# KiCad board NanoGaN.kicad_pcb
title: NanoGaN; date: 2026-02-22; rev: A01; company: Eren Akbayin
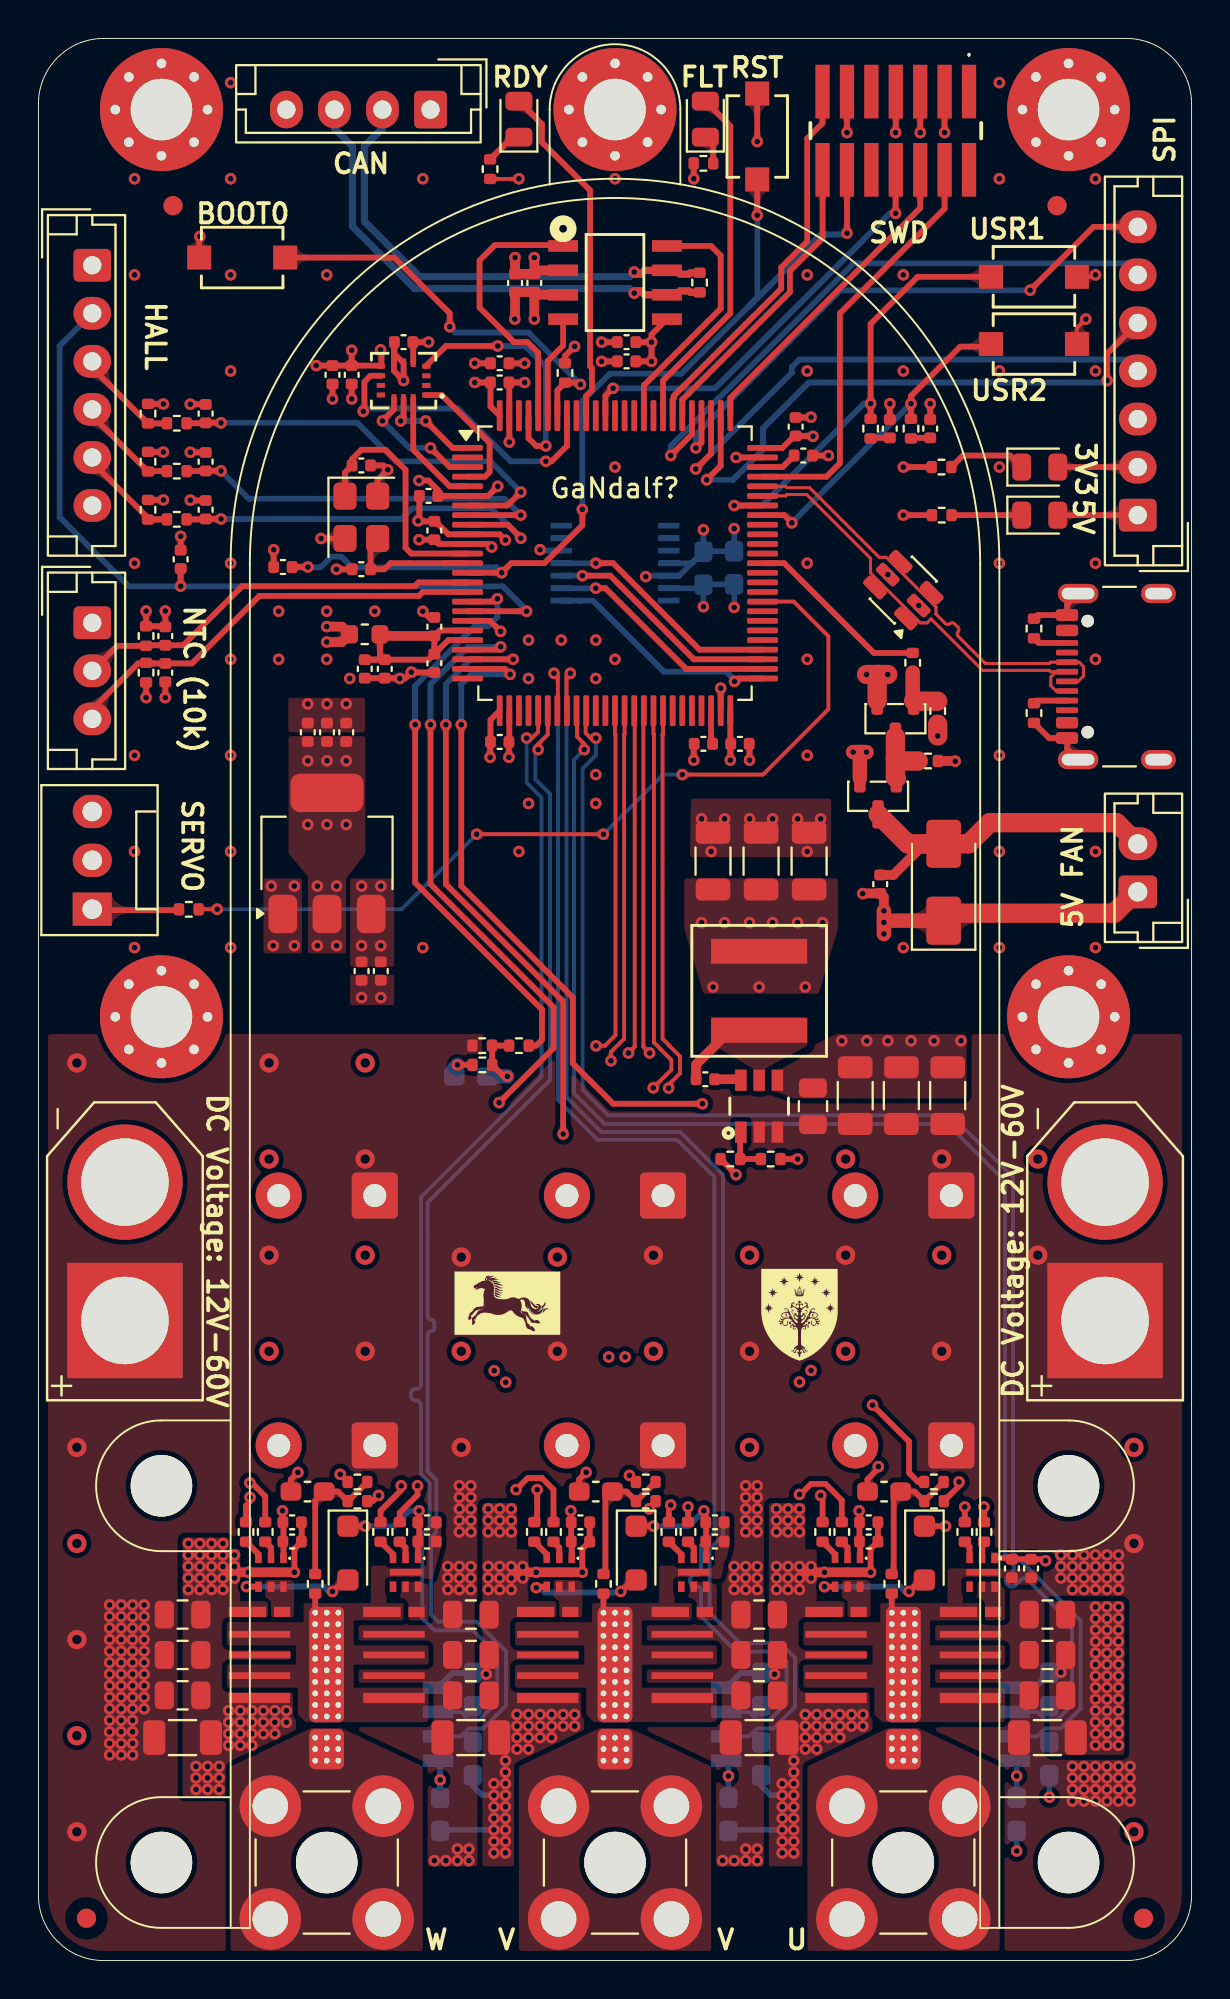
[diagram p0: board, top side]
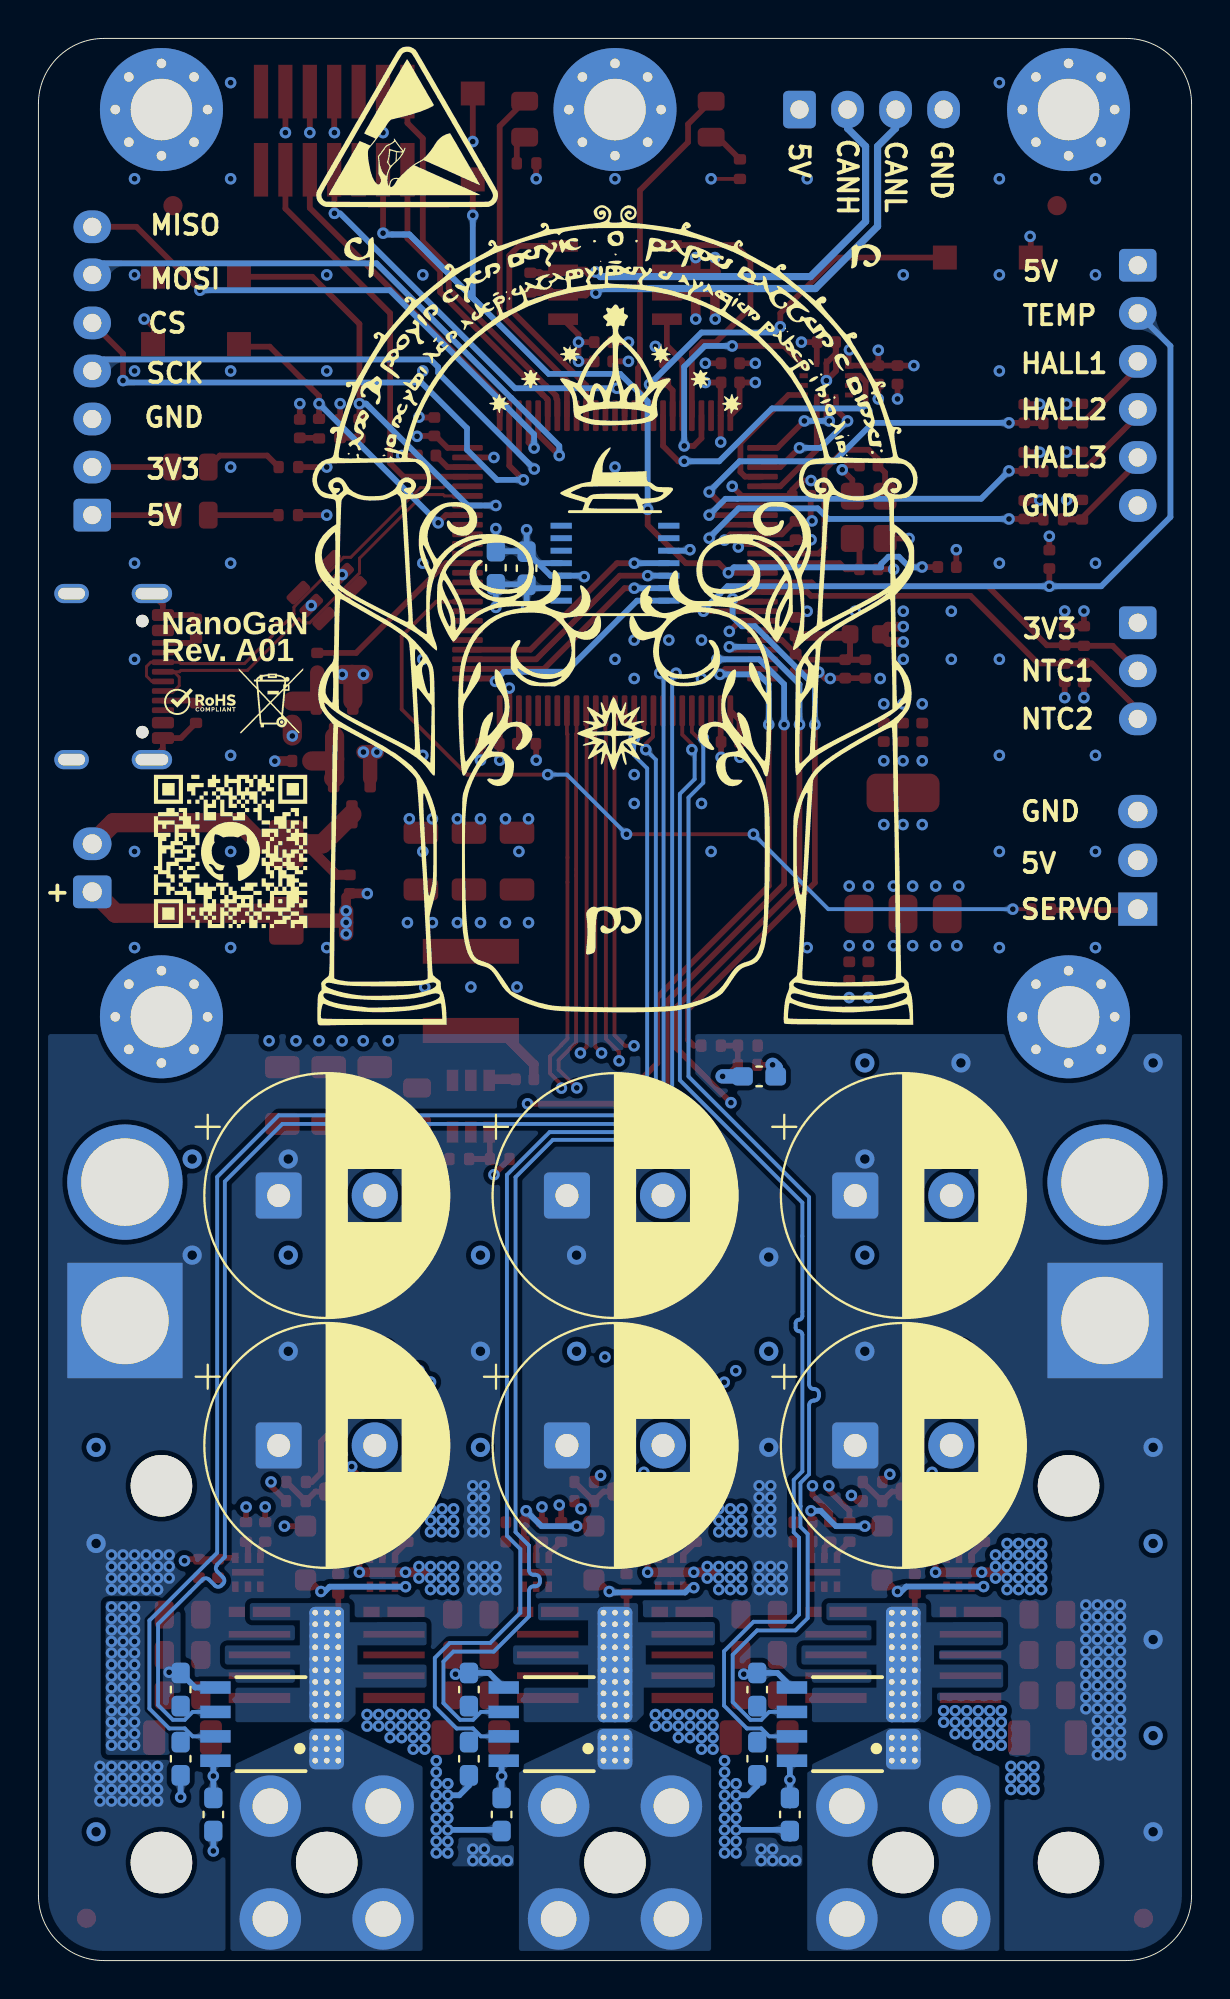
[diagram p1: board, bottom side, seen from below]

Outline 60 x 100 mm; copper layers: Top, In1.Cu (plane), In2.Cu (plane), In3.Cu (plane), In4.Cu (plane), Bottom. Coordinates in mm from the lower left corner of the outline.
Outline path: 0,96.6 arc(1,99) 3.4,100 56.6,100 arc(59,99) 60,96.6 60,3.4 arc(59,1) 56.6,0 3.4,0 arc(1,1) 0,3.4 0,96.6
Stack: Top 0.035mm / dielectric 0.1mm FR4 er 4.5 / In1.Cu 0.035mm / dielectric 0.535mm FR4 er 4.5 / In2.Cu 0.035mm / dielectric 0.1mm FR4 er 4.5 / In3.Cu 0.035mm / dielectric 0.535mm FR4 er 4.5 / In4.Cu 0.035mm / dielectric 0.1mm FR4 er 4.5 / Bottom 0.035mm

## Placement (name value [footprint] x y rotation side)
C1  CL31B105KCHNNNE  [C_1206_3216Metric]  42.5 45 90 top
C2  CL31B105KCHNNNE  [C_1206_3216Metric]  44.9 45 90 top
C3  CL31B105KCHNNNE  [C_1206_3216Metric]  47.31 45 90 top
C4  CL21B104KCFNNNE  [C_0805_2012Metric]  40.3 44.45 90 top
C5  CL05B104KO5NNNC  [C_0402_1005Metric]  34.7 45.85 180 top
C6  CL31A476MPHNNNE  [C_1206_3216Metric]  40.1 57.2 90 top
C7  CL05A475MP5NRNC  [C_0402_1005Metric]  16.81 51.48 270 top
C8  CL05A475MP5NRNC  [C_0402_1005Metric]  14.01 63.9 90 top
C9  CL05B105KQ5NQNC  [C_0402_1005Metric]  18.02 67.2 270 top
C10  0402B104K6R3CT  [C_0402_1005Metric]  16.98 67.2 270 top
C11  EKYC800ELL471MK25S  [CP_Radial_D12.5mm_P5.00mm]  30 39.8 180 bottom
C12  EKYC800ELL471MK25S  [CP_Radial_D12.5mm_P5.00mm]  45 39.8 180 bottom
C13  EKYC800ELL471MK25S  [CP_Radial_D12.5mm_P5.00mm]  45 26.8 180 bottom
C14  EKYC800ELL471MK25S  [CP_Radial_D12.5mm_P5.00mm]  15 39.8 180 bottom
C15  CL21B104KCFNNNE  [C_0805_2012Metric]  7.5 18 0 top
C16  CL05B105KQ5NQNC  [C_0402_1005Metric]  43.2 22.8 0 top
C17  CL31B105KCHNNNE  [C_1206_3216Metric]  22.5 11.6 0 top
C18  ~  [C_0603_1608Metric_Pad1.08x0.95mm_HandSolder]  22.5 46 180 bottom  (not fitted)
C19  0402B472K500NT  [C_0402_1005Metric]  8.7 80.48 90 top
C20  0402B104K6R3CT  [C_0402_1005Metric]  43.2 21.8 0 top
C22  CL05B105KQ5NQNC  [C_0402_1005Metric]  51.65 20.4 90 top
C23  CL05B105KQ5NQNC  [C_0402_1005Metric]  28.2 22.8 0 top
C24  ~  [C_0603_1608Metric_Pad1.08x0.95mm_HandSolder]  50.9 7.6 270 bottom
C25  ~  [C_0603_1608Metric_Pad1.08x0.95mm_HandSolder]  52.6 14.1 90 bottom
C26  ~  [C_0603_1608Metric_Pad1.08x0.95mm_HandSolder]  37.6 14.1 90 bottom
C27  EKYC800ELL471MK25S  [CP_Radial_D12.5mm_P5.00mm]  15 26.8 180 bottom
C28  ~  [C_0603_1608Metric_Pad1.08x0.95mm_HandSolder]  52.6 10.5 270 bottom
C29  0402B104K6R3CT  [C_0402_1005Metric]  28.2 21.8 0 top
C30  CL21B104KCFNNNE  [C_0805_2012Metric]  22.5 15.9 0 top
C31  0402B104K6R3CT  [C_0402_1005Metric]  50.65 20.4 90 top
C32  CL21B104KCFNNNE  [C_0805_2012Metric]  22.5 18 0 top
C33  ~  [C_0603_1608Metric_Pad1.08x0.95mm_HandSolder]  22.6 14.1 90 bottom
C35  EKYC800ELL471MK25S  [CP_Radial_D12.5mm_P5.00mm]  30 26.8 180 bottom
C36  ~  [C_0603_1608Metric_Pad1.08x0.95mm_HandSolder]  44 24.4 180 top  (not fitted)
C37  CL05A475MP5NRNC  [C_0402_1005Metric]  15.01 63.9 90 top
C38  ~  [C_0603_1608Metric_Pad1.08x0.95mm_HandSolder]  35.9 7.6 270 bottom
C39  ~  [C_0603_1608Metric_Pad1.08x0.95mm_HandSolder]  37.6 10.5 270 bottom
C40  CL05A475MP5NRNC  [C_0402_1005Metric]  16.01 63.9 90 top
C41  CL05B105KQ5NQNC  [C_0402_1005Metric]  13.2 22.8 0 top
C42  CL31B105KCHNNNE  [C_1206_3216Metric]  37.5 11.6 0 top
C43  0402B104K6R3CT  [C_0402_1005Metric]  13.2 21.8 0 top
C44  CL21B104KCFNNNE  [C_0805_2012Metric]  7.5 13.8 0 top
C45  CL21B104KCFNNNE  [C_0805_2012Metric]  37.5 15.9 0 top
C46  CL31B105KCHNNNE  [C_1206_3216Metric]  7.5 11.6 0 top
C47  CL21B104KCFNNNE  [C_0805_2012Metric]  7.5 15.9 0 top
C48  CL05B105KQ5NQNC  [C_0402_1005Metric]  35.2 22.8 180 top
C49  CL21B104KCFNNNE  [C_0805_2012Metric]  37.5 18 0 top
C50  CL21B104KCFNNNE  [C_0805_2012Metric]  22.5 13.8 0 top
C52  CL05B105KQ5NQNC  [C_0402_1005Metric]  6.6 67.01 270 top
C53  CL05B105KQ5NQNC  [C_0402_1005Metric]  6.6 68.91 90 top
C54  CL05B105KQ5NQNC  [C_0402_1005Metric]  15.3 82.5 270 top
C55  0402B104K6R3CT  [C_0402_1005Metric]  12.72 72.5 180 top
C56  0402B104K6R3CT  [C_0402_1005Metric]  19 84.2 180 top
C57  0402B104K6R3CT  [C_0402_1005Metric]  16.3 82.5 270 top
C58  ~  [C_0603_1608Metric_Pad1.08x0.95mm_HandSolder]  36.2 72.46 270 bottom
C59  ~  [C_0603_1608Metric_Pad1.08x0.95mm_HandSolder]  34.6 72.44 270 bottom
C60  0402B472K500NT  [C_0402_1005Metric]  7.4 72.9 90 top
C61  0402B472K500NT  [C_0402_1005Metric]  8.7 77.98 90 top
C62  0402B472K500NT  [C_0402_1005Metric]  8.7 75.48 90 top
C63  CL05B105KQ5NQNC  [C_0402_1005Metric]  30.6 83.2 180 top
C64  0402B104K6R3CT  [C_0402_1005Metric]  30.6 84.2 180 top
C65  CL05B105KQ5NQNC  [C_0402_1005Metric]  24.8 87.28 90 top
C66  0402B104K6R3CT  [C_0402_1005Metric]  25.8 87.28 90 top
C67  CL21B104KCFNNNE  [C_0805_2012Metric]  37.5 13.8 0 top
C68  CL31B105KCHNNNE  [C_1206_3216Metric]  52.5 11.6 0 top
C69  0402CG330J500NT  [C_0402_1005Metric]  16.8 77.79 0 top
C70  0402CG330J500NT  [C_0402_1005Metric]  16.8 72.39 180 top
C71  CL05A475MP5NRNC  [C_0402_1005Metric]  24 83.1 0 top
C72  0402B104K6R3CT  [C_0402_1005Metric]  20.6 67.5 270 top
C73  0402B104K6R3CT  [C_0402_1005Metric]  20.3 76.2 180 top
C74  0402B104K6R3CT  [C_0402_1005Metric]  20.6 74.4 90 top
C75  0402B104K6R3CT  [C_0402_1005Metric]  24 63.4 180 top
C76  0402B104K6R3CT  [C_0402_1005Metric]  36.5 63.3 0 top
C77  0402B104K6R3CT  [C_0402_1005Metric]  39.4 79.8 90 top
C78  0402B104K6R3CT  [C_0402_1005Metric]  24 82.1 0 top
C79  CL05A475MP5NRNC  [C_0402_1005Metric]  17.81 51.48 270 top
C80  0402B104K6R3CT  [C_0402_1005Metric]  20.6 69.4 90 top
C81  CL21B104KCFNNNE  [C_0805_2012Metric]  52.5 18 0 top
C82  CL31A476MPHNNNE  [C_1206_3216Metric]  37.6 57.2 90 top
C83  CL05A225MQ5NSNC  [C_0402_1005Metric]  34.6 63.3 180 top
C84  CL05A225MQ5NSNC  [C_0402_1005Metric]  39.8 78.3 0 top
C85  ~  [C_0603_1608Metric_Pad1.08x0.95mm_HandSolder]  29 24.4 180 top  (not fitted)
C86  CL31A476MPHNNNE  [C_1206_3216Metric]  35.1 57.2 90 top
C87  ~  [C_0603_1608Metric_Pad1.08x0.95mm_HandSolder]  14 24.4 180 top  (not fitted)
C88  CL21B104KCFNNNE  [C_0805_2012Metric]  52.5 15.9 0 top
C89  ~  [C_0603_1608Metric_Pad1.08x0.95mm_HandSolder]  20.9 7.6 270 bottom
C90  CL21B104KCFNNNE  [C_0805_2012Metric]  52.5 13.8 0 top
C91  ~  [C_0603_1608Metric_Pad1.08x0.95mm_HandSolder]  22.6 10.5 270 bottom
C93  CL05A475MP5NRNC  [C_0402_1005Metric]  43.8 56 90 top
C94  0402B472K500NT  [C_0402_1005Metric]  44.3 79.7 90 top
C95  0402B472K500NT  [C_0402_1005Metric]  46.4 79.7 90 top
C96  0402B104K6R3CT  [C_0402_1005Metric]  35.2 21.8 180 top
C97  CL05B105KQ5NQNC  [C_0402_1005Metric]  20.22 22.8 180 top
C98  0402B104K6R3CT  [C_0402_1005Metric]  20.22 21.8 180 top
CC1  ~  [CoolingChannel]  30 72.7 0 top
D1  YELLOW  [LED_0805_2012Metric]  52.1 77.7 0 top
D2  USBLC6-2SC6  [SOT-23-6]  45 71.3 135 top
D3  SS54  [D_SMA]  47.1 56.1 90 top
D4  RED  [LED_0805_2012Metric]  34.7 95.8 90 top
D5  GREEN  [LED_0805_2012Metric]  25 95.8 90 top
D6  YELLOW  [LED_0805_2012Metric]  52.1 75.2 0 top
D7  MBR2H200SFT1G  [D_SOD-123F]  46.1 21.2 270 top
D8  MBR2H200SFT1G  [D_SOD-123F]  31.1 21.2 270 top
D9  MBR2H200SFT1G  [D_SOD-123F]  16.1 21.2 270 top
DurinsGate  LOGO  [DurinsGate]  30 70 180 bottom
FM1  Fiducial  [Fiducial_1mm_Mask2mm]  7 91.3 0 top
FM2  Fiducial  [Fiducial_1mm_Mask2mm]  2.5 2.2 0 top
FM3  Fiducial  [Fiducial_1mm_Mask2mm]  57.5 2.2 0 top
FM4  Fiducial  [Fiducial_1mm_Mask2mm]  53 91.3 0 top
G***  LOGO  [rohan]  24.4 34.2 0 top
G***#2  LOGO  [white_tree]  39.6 33.6 0 top
G***#3  LOGO  [weee]  47.9 65.5 180 bottom
G***#4  LOGO  [esd]  40.81 95.4 180 bottom
G***#5  LOGO  [hw-repo]  50 57.7 180 bottom
G***#6  LOGO  [RoHS_Compliant]  51.6 65.5 180 bottom
HB_PAD_U  -  [HB_PAD]  30 18.4 0 top  (not fitted)
HS1  Heatsink  [ICK_S]  30 15.9 0 top
J1  XT60-M  [AMASS_XT60-M]  55.5 36.9 90 top
J2  XT60-M  [AMASS_XT60-M]  4.5 36.9 90 top
J3  Phase_U  [Wuerth_REDCUBE-THR_WP-THRBU_74650073_THR]  45 5.1 270 top
J4  Phase_U  [Wuerth_REDCUBE-THR_WP-THRBU_74650073_THR]  30 5.1 270 top
J5  Phase_U  [Wuerth_REDCUBE-THR_WP-THRBU_74650073_THR]  15 5.1 270 top
J6  FTSH-107-01-L-DV-K-TR  [FTSH10701LDVKTR]  44.61 95.2 180 top
J7  Conn_01x03  [JST_EH_B3B-EH-A_1x03_P2.50mm_Vertical]  2.8 69.6 270 top
J8  Conn_01x02  [JST_EH_B2B-EH-A_1x02_P2.50mm_Vertical]  57.2 55.6 90 top
J9  Conn_01x07  [JST_EH_B7B-EH-A_1x07_P2.50mm_Vertical]  57.2 75.2 90 top
J10  Conn_01x06  [JST_EH_B6B-EH-A_1x06_P2.50mm_Vertical]  2.8 88.2 270 top
J11  Conn_01x04  [JST_EH_B4B-EH-A_1x04_P2.50mm_Vertical]  20.4 96.3 180 top
J12  USB_C_Receptacle_USB2.0_16P  [USB_C_Receptacle_GCT_USB4105-xx-A_16P_TopMnt_Horizontal]  57.2 66.8 90 top
J14  Conn_01x03  [FanPinHeader_1x03_P2.54mm_Vertical]  2.8 54.7 90 top
L1  XAL6060-103ME  [IND_XAL60XX-240H_COC]  37.5 50.45 90 top
L2  FHW0603UC039JST  [L_0603_1608Metric]  16.98 69 0 top
MH1  M3  [MountingHole_3.2mm_M3_Pad_Via]  6.4 96.3 0 top
MH2  M3  [MountingHole_3.2mm_M3_Pad_Via]  30 96.3 0 top
MH3  M3  [MountingHole_3.2mm_M3_Pad_Via]  53.6 96.3 0 top
MH4  M3  [MountingHole_3.2mm_M3_Pad_Via]  6.4 49.1 0 top
MH5  M3  [MountingHole_3.2mm_M3_Pad_Via]  53.6 49.1 0 top
MH6  M3  [MountingHole_3.2mm_M3]  6.4 5.1 0 top
MH7  M3  [MountingHole_3.2mm_M3]  53.6 5.1 0 top
MH8  M3  [MountingHole_3.2mm_M3]  6.4 24.7 0 top
MH9  M3  [MountingHole_3.2mm_M3]  53.6 24.7 0 top
Q1  IGC025S08S1XTMA1  [IFX-PG-TSON-6-2-V]  48.5 15.9 270 top
Q2  IGC025S08S1XTMA1  [IFX-PG-TSON-6-2-V]  41.5 15.9 270 top
Q3  IGC025S08S1XTMA1  [IFX-PG-TSON-6-2-V]  33.5 15.9 270 top
Q4  IGC025S08S1XTMA1  [IFX-PG-TSON-6-2-V]  26.5 15.9 270 top
Q5  IGC025S08S1XTMA1  [IFX-PG-TSON-6-2-V]  18.5 15.9 270 top
Q6  IGC025S08S1XTMA1  [IFX-PG-TSON-6-2-V]  11.5 15.9 270 top
Q7  AO3400A  [SOT-23_3]  43.69 60.57 270 top
Q8  AO3400A  [SOT-23_3]  44.59 64.61 270 top
R1  0402WGF1003TCE  [R_0402_1005Metric]  38.1 41.7 180 top
R2  0402WGF1912TCE  [R_0402_1005Metric]  36 41.7 180 top
R3  0402WGF2200TCE  [R_0402_1005Metric]  46.99 77.7 180 top
R4  NQ02WGF3902TCE  [R_0402_1005Metric]  23.09 47.6 0 top
R5  0402WGF2201TCE  [R_0402_1005Metric]  23.1 46.6 180 top
R6  0402WGF1200TCE  [R_0402_1005Metric]  34.4 87.3 270 top
R7  0402WGF0000TCE  [R_0402_1005Metric]  25 47.6 0 top
R8  0402WGF4702TCE  [R_0402_1005Metric]  49.2 22.3 270 top
R9  0402WGF4702TCE  [R_0402_1005Metric]  48.2 22.3 270 top
R10  NQ02WGF3902TCE  [R_0402_1005Metric]  44.4 19.6 90 top
R11  0402WGF1002TCE  [R_0402_1005Metric]  5.6 67.01 270 top
R12  0402WGF2201TCE  [R_0402_1005Metric]  46.6 23.9 0 top
R15  0402WGF4702TCE  [R_0402_1005Metric]  33.8 22.3 270 top
R16  0402WGF4702TCE  [R_0402_1005Metric]  32.8 22.3 270 top
R19  0402WGF0000TCE  [R_0402_1005Metric]  46.59 24.9 180 top
R20  NQ02WGF3902TCE  [R_0402_1005Metric]  29.4 19.6 90 top
R21  0402WGF1002TCE  [R_0402_1005Metric]  5.6 68.91 90 top
R22  0402WGF4702TCE  [R_0402_1005Metric]  18.8 22.3 270 top
R23  0402WGF4702TCE  [R_0402_1005Metric]  17.8 22.3 270 top
R26  0402WGF2201TCE  [R_0402_1005Metric]  31.6 23.9 0 top
R27  0402WGF0000TCE  [R_0402_1005Metric]  31.6 24.9 180 top
R28  NQ02WGF3902TCE  [R_0402_1005Metric]  14.4 19.6 90 top
R29  0402WGF2201TCE  [R_0402_1005Metric]  5.7 80.48 270 top
R30  0402WGF2201TCE  [R_0402_1005Metric]  16.6 23.9 0 top
R31  0402WGF2201TCE  [R_0402_1005Metric]  5.7 77.98 270 top
R32  0402WGF0000TCE  [R_0402_1005Metric]  16.6 24.9 180 top
R33  0402WGF2201TCE  [R_0402_1005Metric]  5.7 75.48 270 top
R34  0402WGF1002TCE  [R_0402_1005Metric]  7.2 79.98 0 top
R35  0402WGF1002TCE  [R_0402_1005Metric]  7.2 77.49 0 top
R36  0402WGF1002TCE  [R_0402_1005Metric]  7.2 74.98 0 top
R37  0402WGF5101TCE  [R_0402_1005Metric]  51.8 69.3 90 top
R38  0402WGF5101TCE  [R_0402_1005Metric]  51.8 64.9 270 top
R39  0402WGF1000TCE  [R_0402_1005Metric]  7.82 54.69 0 top
R40  0402WGF1001TCE  [R_0402_1005Metric]  46.29 62.41 180 top
R41  0402WGF1002TCE  [R_0402_1005Metric]  27.4 82.6 270 top
R42  0402WGF1002TCE  [R_0402_1005Metric]  46.79 65.01 270 top
R43  0402WGF2200TCE  [R_0402_1005Metric]  45.49 67.52 90 top
R44  0402WGF4702TCE  [R_0402_1005Metric]  41.8 22.3 270 top
R45  0402WGF4702TCE  [R_0402_1005Metric]  40.8 22.3 270 top
R46  0402WGF4702TCE  [R_0402_1005Metric]  26.8 22.3 270 top
R47  0402WGF4702TCE  [R_0402_1005Metric]  25.8 22.3 270 top
R48  0402WGF4702TCE  [R_0402_1005Metric]  11.8 22.3 270 top
R49  0402WGF4702TCE  [R_0402_1005Metric]  10.8 22.3 270 top
R56  0402WGF2201TCE  [R_0402_1005Metric]  43.3 79.7 270 top
R57  0402WGF2201TCE  [R_0402_1005Metric]  45.4 79.7 270 top
R58  0402WGF2200TCE  [R_0402_1005Metric]  34.6 93.5 180 top
R59  0402WGF2200TCE  [R_0402_1005Metric]  23.5 93.2 270 top
R60  0402WGF5100TCE  [R_0402_1005Metric]  47 75.2 180 top
SW1  TS-1088-AR02016  [SW_TS-1088_XNP]  37.4 94.9 270 top
SW2  TS-1088-AR02016  [SW_TS-1088_XNP]  10.6 88.6 0 top
SW3  TS-1088-AR02016  [SW_TS-1088_XNP]  51.8 87.6 180 top
SW4  TS-1088-AR02016  [SW_TS-1088_XNP]  51.8 84.1 180 top
U1  STM32H723VGTx  [LQFP-100_14x14mm_P0.5mm]  30 72.7 0 top
U2  LMR51635XDDCR  [DDC0006A-MFG]  37.5 44.45 90 top
U3  AMS1117  [SOT-223-3_TabPin2]  15.01 57.6 90 top
U4  ACS37030LLZATR-065B3  [ACS37030LLZATR020B3]  47.9 12.3 270 bottom
U5  1EDN7136U  [1EDN71X6U]  49.1 20.2 270 top
U6  ACS37030LLZATR-065B3  [ACS37030LLZATR020B3]  32.9 12.3 270 bottom
U7  ACS37030LLZATR-065B3  [ACS37030LLZATR020B3]  17.9 12.3 270 bottom
U8  1EDN7136U  [1EDN71X6U]  34.1 20.2 270 top
U9  LSM6DSVTR  [LGA14-L_2P59X3P1X0P5_STM-L]  19 82.2 180 top
U10  1EDN7136U  [1EDN71X6U]  19.1 20.2 270 top
U11  1EDN7136U  [1EDN71X6U]  42.1 20.2 270 top
U12  1EDN7136U  [1EDN71X6U]  27.1 20.2 270 top
U13  1EDN7136U  [1EDN71X6U]  12.1 20.2 270 top
U14  AS5047P-ATST  [TSSOP-14_AMS-L]  30 72.7 0 bottom
U15  TCAN1044VDRQ1  [D0008A-MFG]  30 87.3 0 top
U_HB_PAD  -  [HB_PAD]  45 18.4 0 top  (not fitted)
V_HB_PAD  -  [HB_PAD]  15 18.4 0 top  (not fitted)
X1  X322512MSB4SI  [Crystal_SMD_3225-4Pin_3.2x2.5mm]  16.8 75.09 270 top

## Library data of the parts
C1-C3 C17 C42 C46 C68 = -: Datasheet: https://datasheet.datasheetarchive.com/originals/distributors/Datasheets-DGA8/2461474.pdf; Description: CAP, 1u, 100V, +/-10%, X7R, 1206; Height: 1.8; Mouser Part Number: 187-CL31B105KCHNNNE; Mouser Price/Stock: https://www.mouser.co.uk/ProductDetail/Samsung-Electro-Mechanics/CL31B105KCHNNNE?qs=349EhDEZ59qH1i3RhF2lug%3D%3D; Manufacturer_Name: SAMSUNG; LCSC: C13832; Voltage Rating: 100V; Package: 1206; Dielectric: X7R; Capacitance: 1u; ki_fp_filters: C_*
C4 C15 C30 C32 C44 C45 C47 C49 C50 C67 C81 C88 C90 = -: Datasheet: https://datasheet.datasheetarchive.com/originals/distributors/DKDS-19/374389.pdf; Description: - CAP, 0.1UF, 100V, MLCC, 0805, -SAMSUNG ELECTRO-MECHANICS - CL21B104KCFNNNE; Height: 1.35; Mouser Part Number: 187-CL21B104KCFNNNE; Mouser Price/Stock: https://www.mouser.co.uk/ProductDetail/Samsung-Electro-Mechanics/CL21B104KCFNNNE?qs=lptGheUA4EwiEGVRX9oguw%3D%3D; Manufacturer_Name: SAMSUNG; Voltage Rating: 100V; Dielectric: X7R; LCSC: C28233; Capacitance: 100n; ki_fp_filters: C_*
C5 = -: Datasheet: https://datasheet.datasheetarchive.com/originals/distributors/Datasheets-DGA10/2408147.pdf; Description: Samsung Electro-Mechanics CL05B104KO5NNNC 100nF Multilayer Ceramic Capacitor MLCC 16V dc +/-10% Tolerance SMD; Height: 0.55; Mouser Part Number: 187-CL05B104KO5NNNC; Mouser Price/Stock: https://www.mouser.co.uk/ProductDetail/Samsung-Electro-Mechanics/CL05B104KO5NNNC?qs=hqM3L16%252BxlfT2SKOuAUq6Q%3D%3D; Manufacturer_Name: SAMSUNG; Voltage Rating: 16V; Dielectric: X7R; Package: 0402; LCSC: C1525; Capacitance: 100n; ki_fp_filters: C_*
C6 C82 C86 = -: Datasheet: https://datasheet.datasheetarchive.com/originals/distributors/Datasheets-DGA10/2406753.pdf; Description: Cap Ceramic 47uF 10V X5R 20% Pad SMD 1206 85C T/R; Height: 1.8; Mouser Part Number: 187-CL31A476MPHNNNE; Mouser Price/Stock: https://www.mouser.co.uk/ProductDetail/Samsung-Electro-Mechanics/CL31A476MPHNNNE?qs=X6jEic%2FHinAH4CKuYqWwYw%3D%3D; Manufacturer_Name: SAMSUNG; Voltage Rating: 10V; LCSC: C96123; Package: 1206; Capacitance: 47u; ki_fp_filters: C_*
C7 C8 C37 C40 C71 C79 C93 = -: Description: 10V 4.7uF X5R ±20% 0402 Multilayer Ceramic Capacitors MLCC - SMD/SMT ROHS; LCSC: C23733; Voltage Rating: 10V; Capacitance: 4u7; ki_fp_filters: C_*
C9 C52-C54 C63 C65 = -: Description: 1uF 6.3V X7R ±10% 0402 Multilayer Ceramic Capacitors MLCC - SMD/SMT ROHS; LCSC: C307427; Voltage Rating: 6.3V; Capacitance: 1u; ki_fp_filters: C_*
C10 C55-C57 C64 C66 C72-C78 C80 = -: Description: 100nF 6.3V X7R ±10% 0402 Multilayer Ceramic Capacitors MLCC - SMD/SMT ROHS; LCSC: C424821; Voltage Rating: 6.3V; Capacitance: 100n; ki_fp_filters: C_*
C11-C14 C27 C35 = -: Datasheet: https://www.chemi-con.co.jp/products/relatedfiles/capacitor/catalog/KYCLL-e.PDF; Description: 470 µF 80 V Aluminum Electrolytic Capacitors Radial, Can 37mOhm @ 100kHz 5000 Hrs @ 105°C; Voltage Rating: 80V; Capacitance: 470u; ki_fp_filters: CP_*
C16 C22 C23 C41 C48 C97 = -: Description: 1uF 6.3V X7R ±10% 0402 Multilayer Ceramic Capacitors MLCC - SMD/SMT ROHS; Voltage Rating: 6.3V; Capacitance: 1u; LCSC: C307427; ki_fp_filters: C_*
C18 C36 C85 C87 = -: Voltage Rating: 6.3V; Capacitance: 1n; ki_fp_filters: C_*
C19 C60-C62 C94 C95 = -: Description: 4.7nF 50V X7R ±10% 0402 Multilayer Ceramic Capacitors MLCC - SMD/SMT ROHS; LCSC: C1538; Voltage Rating: 50V; Capacitance: 4n7; ki_fp_filters: C_*
C20 C29 C31 C43 C96 C98 = -: Description: 100nF 6.3V X7R ±10% 0402 Multilayer Ceramic Capacitors MLCC - SMD/SMT ROHS; Capacitance: 100n; Voltage Rating: 6.3V; LCSC: C424821; ki_fp_filters: C_*
C24 C38 C89 = -: Description: 100nF 6.3V X7R ±10% Multilayer Ceramic Capacitors MLCC - SMD/SMT ROHS; Voltage Rating: 6.3V; Capacitance: 100n; ki_fp_filters: C_*
C25 C26 C28 C33 C39 C91 = -: Description: 100pF 50V C0G ±5% 0603 Multilayer Ceramic Capacitors MLCC - SMD/SMT ROHS; Voltage Rating: 6.3V; Capacitance: 100p; ki_fp_filters: C_*
C58 = -: Voltage Rating: 6.3V; Capacitance: 1u; ki_fp_filters: C_*
C59 = -: Capacitance: 100n; Voltage Rating: 6.3V; ki_fp_filters: C_*
C69 C70 = -: Datasheet: https://jlcpcb.com/api/file/downloadByFileSystemAccessId/8579707303219953664; Description: 33pF 50V C0G ±5% 0402 Multilayer Ceramic Capacitors MLCC - SMD/SMT ROHS; LCSC: C1549; Capacitance: 33p; ki_fp_filters: C_*
C83 C84 = -: Description: 2.2uF 6.3V X5R ±20% 0402 Multilayer Ceramic Capacitors MLCC - SMD/SMT ROHS; LCSC: C12530; Voltage Rating: 6.3V; Capacitance: 2u2; ki_fp_filters: C_*
D1 D6 = -: Description: -40℃~+85℃ 1.8V~2.4V 120° 175mcd 40mW 584nm~594nm 596nm Discrete Diode Water Clear Yellow 0805 LED Indication - Discrete ROHS; LCSC: C2296; ki_fp_filters: LED* LED_SMD:* LED_THT:*
D2 = -: Datasheet: https://www.st.com/resource/en/datasheet/usblc6-2.pdf; Description: Very low capacitance ESD protection diode, 2 data-line, SOT-23-6; LCSC: C7519; ki_fp_filters: SOT?23*
D3 = -: Datasheet: https://jlcpcb.com/api/file/downloadByFileSystemAccessId/8579707587489042432; Description: -55℃~+125℃ 1mA@40V 40V 550mV@5A 5A Independent SMA(DO-214AC) Schottky Diodes ROHS; LCSC: C22452; ki_fp_filters: TO-???* *_Diode_* *SingleDiode* D_*
D4 = -: Description: -30℃~+85℃ 1.6V~2.6V 130° 195mcd 25mA 615nm~630nm 630nm 65mW Discrete Diode Red 0805 LED Indication - Discrete ROHS; LCSC: C84256; ki_fp_filters: LED* LED_SMD:* LED_THT:*
D5 = -: Description: -40℃~+85℃ 100mW 120° 2.6V~3.1V 430mcd 513nm~528nm 525nm 5mA Discrete Diode Emerald Green Water Clear 0805 LED Indication - Discrete ROHS; LCSC: C2297; ki_fp_filters: LED* LED_SMD:* LED_THT:*
D7-D9 = -: Datasheet: https://www.onsemi.com/pdf/datasheet/mbr2h200sf-d.pdf; Description: -55℃~+150℃ 1 Independent 200V 200uA@200V 2A 30A 940mV@2A SOD-123 Schottky Diodes ROHS; LCSC: C480689; ki_fp_filters: TO-???* *_Diode_* *SingleDiode* D_*
FM1-FM4 = -: Description: Fiducial Marker; ki_fp_filters: Fiducial*
HS1 = -: ki_fp_filters: Heatsink_*
J1 J2 = -: Description: Plug; DC supply; XT60; male; PIN: 2; for cable; soldered; 30A; 500V; MAXIMUM_PACKAGE_HEIGHT: 16.00 mm; Package: Package
J3-J5 = -: ki_fp_filters: TerminalBlock*:*
J6 = -: Datasheet: https://suddendocs.samtec.com/prints/ftsh-1xx-xx-xxx-dv-xxx-xxx-x-xx-mkt.pdf?_gl=1*mdiyn1*_ga*MTcyMTUxMTIwMy4xNzEyMDQxMTc2*_ga_3KFNZC07WW*MTcxMjEzMDIxOS4yLjEuMTcxMjEzMDI1NC4yNS4wLjA.; Description: Conn Unshrouded Header HDR 14 POS 1.27mm Solder ST Top Entry SMD TIGER CLAW T/R; Height: 6.25; Mouser Part Number: 200-FTSH10701LDVKTR; Mouser Price/Stock: https://www.mouser.co.uk/ProductDetail/Samtec/FTSH-107-01-L-DV-K-TR?qs=%252BZP6%2F%252BtExtDlh0wyxE013Q%3D%3D; Manufacturer_Name: SAMTEC; LCSC: C5307809
J7 J14 = -: Description: Generic connector, single row, 01x03, script generated (kicad-library-utils/schlib/autogen/connector/); ki_fp_filters: Connector*:*_1x??_*
J8 = -: Description: Generic connector, single row, 01x02, script generated (kicad-library-utils/schlib/autogen/connector/); ki_fp_filters: Connector*:*_1x??_*
J9 = -: Description: Generic connector, single row, 01x07, script generated (kicad-library-utils/schlib/autogen/connector/); ki_fp_filters: Connector*:*_1x??_*